# Allegro board buddy_lay_rev1.brd (continued)
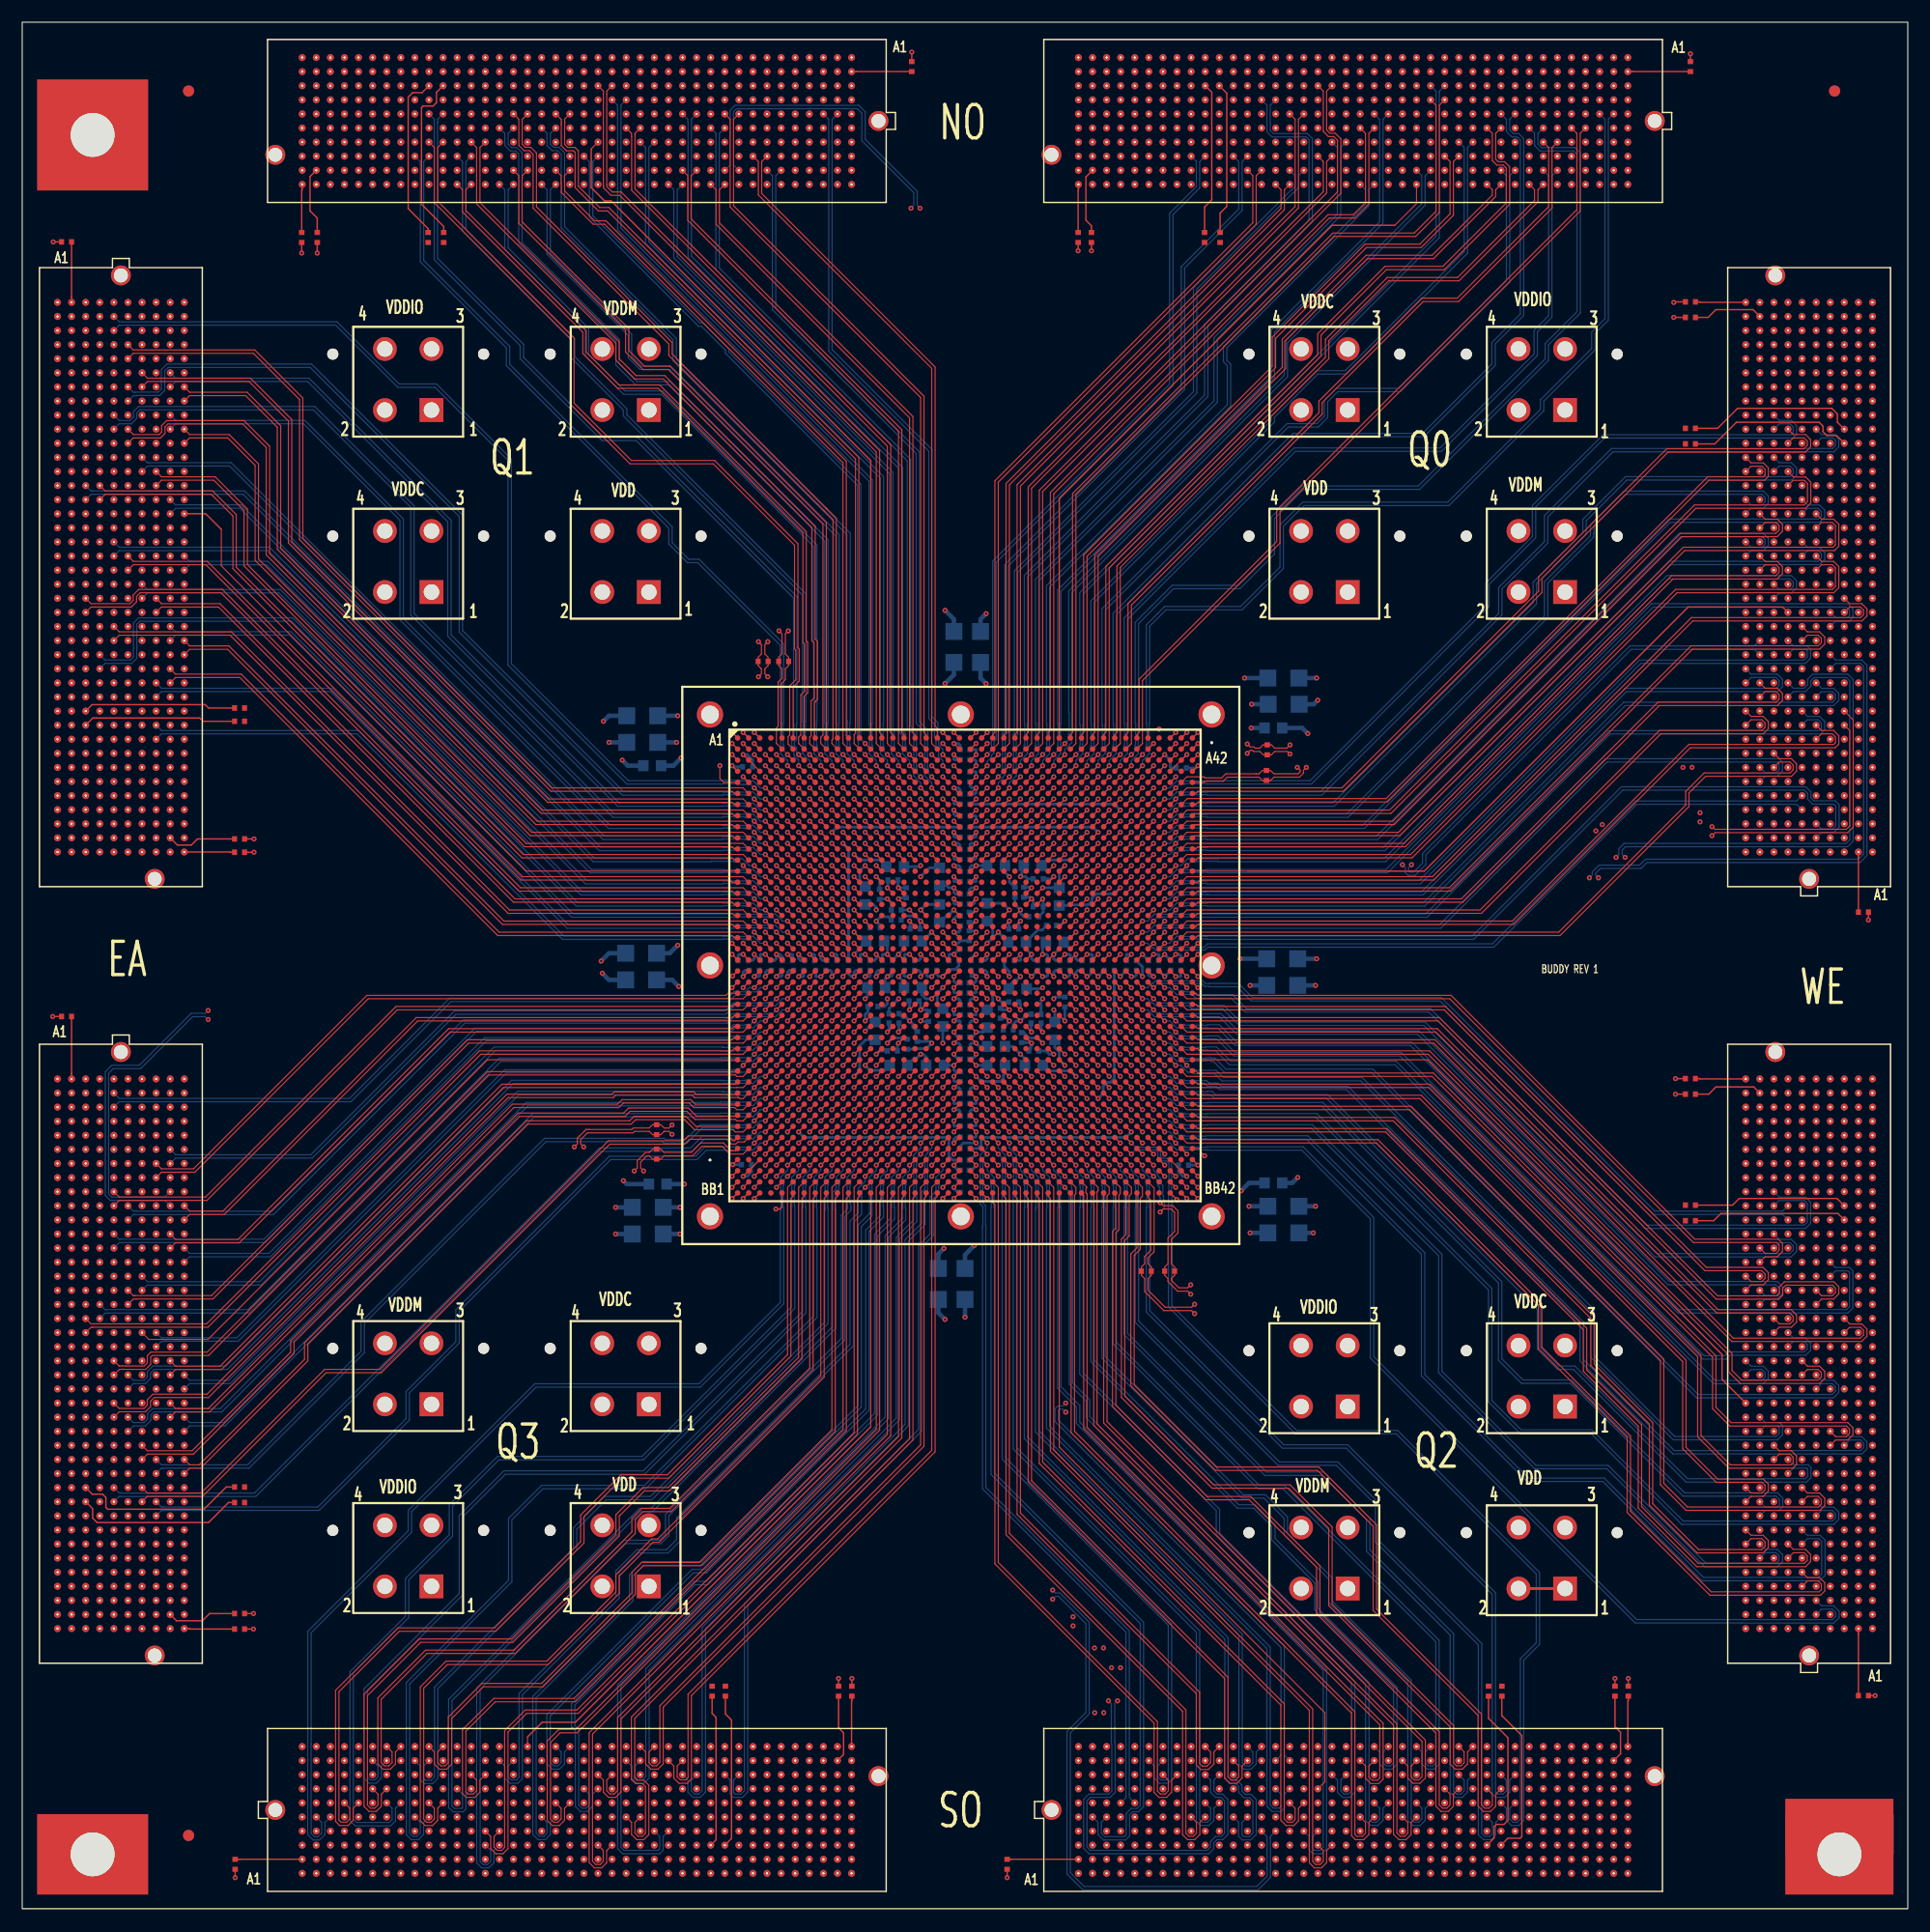
[diagram p0: board, top side]
## Footprints (pads in the part's own frame, mm; a bottom-side part is the same pattern mirrored in y, then rotated) (continued)
IRONWOOD_BGASOCKET
  round 0.25 hole 0.85 unplated: (-22.613,-17.532) (22.613,20.073)
  round 2.372 hole 1.61: 1(-22.613,-22.613) 2(-22.613,0) 3(-22.613,22.613) 4(0,22.613) 5(22.613,22.613) 6(22.613,0) 7(22.613,-22.613) 8(0,-22.613)
MOLEX_0039299042
  round 1 hole 3 unplated: (-6.8,2.49) (6.8,2.49)
  rect 2.15x2.15 hole 1.4: 1(2.1,-2.55)
  round 2.15 hole 1.4: 2(-2.1,-2.55) 3(2.1,2.95) 4(-2.1,2.95)
unnamed
  rect 10x7.25 hole 3.96: (0,0)
VITA57_MEZZ
  round 1.8 hole 1.27 unplated: (-27.191,-3.048) (27.191,0)
  round 0.635 hole 0.203: A1(24.765,5.715) A2(23.495,5.715) A3(22.225,5.715) A4(20.955,5.715) A5(19.685,5.715) A6(18.415,5.715) A7(17.145,5.715) A8(15.875,5.715) A9(14.605,5.715) A10(13.335,5.715) A11(12.065,5.715) A12(10.795,5.715) A13(9.525,5.715) A14(8.255,5.715) A15(6.985,5.715) A16(5.715,5.715) A17(4.445,5.715) A18(3.175,5.715) A19(1.905,5.715) A20(0.635,5.715) A21(-0.635,5.715) A22(-1.905,5.715) A23(-3.175,5.715) A24(-4.445,5.715) A25(-5.715,5.715) A26(-6.985,5.715) A27(-8.255,5.715) A28(-9.525,5.715) A29(-10.795,5.715) A30(-12.065,5.715) A31(-13.335,5.715) A32(-14.605,5.715) A33(-15.875,5.715) A34(-17.145,5.715) A35(-18.415,5.715) A36(-19.685,5.715) A37(-20.955,5.715) A38(-22.225,5.715) A39(-23.495,5.715) A40(-24.765,5.715) B1(24.765,4.445) B2(23.495,4.445) B3(22.225,4.445) B4(20.955,4.445) B5(19.685,4.445) B6(18.415,4.445) B7(17.145,4.445) B8(15.875,4.445) B9(14.605,4.445) B10(13.335,4.445) B11(12.065,4.445) B12(10.795,4.445) B13(9.525,4.445) B14(8.255,4.445) B15(6.985,4.445) B16(5.715,4.445) B17(4.445,4.445) B18(3.175,4.445) B19(1.905,4.445) B20(0.635,4.445) B21(-0.635,4.445) B22(-1.905,4.445) B23(-3.175,4.445) B24(-4.445,4.445) B25(-5.715,4.445) B26(-6.985,4.445) B27(-8.255,4.445) B28(-9.525,4.445) B29(-10.795,4.445) B30(-12.065,4.445) B31(-13.335,4.445) B32(-14.605,4.445) B33(-15.875,4.445) B34(-17.145,4.445) B35(-18.415,4.445) B36(-19.685,4.445) B37(-20.955,4.445) B38(-22.225,4.445) B39(-23.495,4.445) B40(-24.765,4.445) C1(24.765,3.175) C2(23.495,3.175) C3(22.225,3.175) C4(20.955,3.175) C5(19.685,3.175) C6(18.415,3.175) C7(17.145,3.175) C8(15.875,3.175) C9(14.605,3.175) C10(13.335,3.175) C11(12.065,3.175) C12(10.795,3.175) C13(9.525,3.175) C14(8.255,3.175) C15(6.985,3.175) C16(5.715,3.175) C17(4.445,3.175) C18(3.175,3.175) C19(1.905,3.175) C20(0.635,3.175) C21(-0.635,3.175) C22(-1.905,3.175) C23(-3.175,3.175) C24(-4.445,3.175) C25(-5.715,3.175) C26(-6.985,3.175) C27(-8.255,3.175) C28(-9.525,3.175) C29(-10.795,3.175) C30(-12.065,3.175) C31(-13.335,3.175) C32(-14.605,3.175) C33(-15.875,3.175) C34(-17.145,3.175) C35(-18.415,3.175) C36(-19.685,3.175) C37(-20.955,3.175) C38(-22.225,3.175) C39(-23.495,3.175) C40(-24.765,3.175) D1(24.765,1.905) D2(23.495,1.905) D3(22.225,1.905) D4(20.955,1.905) D5(19.685,1.905) D6(18.415,1.905) D7(17.145,1.905) D8(15.875,1.905) D9(14.605,1.905) D10(13.335,1.905) D11(12.065,1.905) D12(10.795,1.905) D13(9.525,1.905) D14(8.255,1.905) D15(6.985,1.905) D16(5.715,1.905) D17(4.445,1.905) D18(3.175,1.905) D19(1.905,1.905) D20(0.635,1.905) D21(-0.635,1.905) D22(-1.905,1.905) D23(-3.175,1.905) D24(-4.445,1.905) D25(-5.715,1.905) D26(-6.985,1.905) D27(-8.255,1.905) D28(-9.525,1.905) D29(-10.795,1.905) D30(-12.065,1.905) D31(-13.335,1.905) D32(-14.605,1.905) D33(-15.875,1.905) D34(-17.145,1.905) D35(-18.415,1.905) D36(-19.685,1.905) D37(-20.955,1.905) D38(-22.225,1.905) D39(-23.495,1.905) D40(-24.765,1.905) E1(24.765,0.635) E2(23.495,0.635) E3(22.225,0.635) E4(20.955,0.635) E5(19.685,0.635) E6(18.415,0.635) E7(17.145,0.635) E8(15.875,0.635) E9(14.605,0.635) E10(13.335,0.635) E11(12.065,0.635) E12(10.795,0.635) E13(9.525,0.635) E14(8.255,0.635) E15(6.985,0.635) E16(5.715,0.635) E17(4.445,0.635) E18(3.175,0.635) E19(1.905,0.635) E20(0.635,0.635) E21(-0.635,0.635) E22(-1.905,0.635) E23(-3.175,0.635) E24(-4.445,0.635) E25(-5.715,0.635) E26(-6.985,0.635) E27(-8.255,0.635) E28(-9.525,0.635) E29(-10.795,0.635) E30(-12.065,0.635) E31(-13.335,0.635) E32(-14.605,0.635) E33(-15.875,0.635) E34(-17.145,0.635) E35(-18.415,0.635) E36(-19.685,0.635) E37(-20.955,0.635) E38(-22.225,0.635) E39(-23.495,0.635) E40(-24.765,0.635) F1(24.765,-0.635) F2(23.495,-0.635) F3(22.225,-0.635) F4(20.955,-0.635) F5(19.685,-0.635) F6(18.415,-0.635) F7(17.145,-0.635) F8(15.875,-0.635) F9(14.605,-0.635) F10(13.335,-0.635) F11(12.065,-0.635) F12(10.795,-0.635) F13(9.525,-0.635) F14(8.255,-0.635) F15(6.985,-0.635) F16(5.715,-0.635) F17(4.445,-0.635) F18(3.175,-0.635) F19(1.905,-0.635) F20(0.635,-0.635) F21(-0.635,-0.635) F22(-1.905,-0.635) F23(-3.175,-0.635) F24(-4.445,-0.635) F25(-5.715,-0.635) F26(-6.985,-0.635) F27(-8.255,-0.635) F28(-9.525,-0.635) F29(-10.795,-0.635) F30(-12.065,-0.635) F31(-13.335,-0.635) F32(-14.605,-0.635) F33(-15.875,-0.635) F34(-17.145,-0.635) F35(-18.415,-0.635) F36(-19.685,-0.635) F37(-20.955,-0.635) F38(-22.225,-0.635) F39(-23.495,-0.635) F40(-24.765,-0.635) G1(24.765,-1.905) G2(23.495,-1.905) G3(22.225,-1.905) G4(20.955,-1.905) G5(19.685,-1.905) G6(18.415,-1.905) G7(17.145,-1.905) G8(15.875,-1.905) G9(14.605,-1.905) G10(13.335,-1.905) G11(12.065,-1.905) G12(10.795,-1.905) G13(9.525,-1.905) G14(8.255,-1.905) G15(6.985,-1.905) G16(5.715,-1.905) G17(4.445,-1.905) G18(3.175,-1.905) G19(1.905,-1.905) G20(0.635,-1.905) G21(-0.635,-1.905) G22(-1.905,-1.905) G23(-3.175,-1.905) G24(-4.445,-1.905) G25(-5.715,-1.905) G26(-6.985,-1.905) G27(-8.255,-1.905) G28(-9.525,-1.905) G29(-10.795,-1.905) G30(-12.065,-1.905) G31(-13.335,-1.905) G32(-14.605,-1.905) G33(-15.875,-1.905) G34(-17.145,-1.905) G35(-18.415,-1.905) G36(-19.685,-1.905) G37(-20.955,-1.905) G38(-22.225,-1.905) G39(-23.495,-1.905) G40(-24.765,-1.905) H1(24.765,-3.175) H2(23.495,-3.175) H3(22.225,-3.175) H4(20.955,-3.175) H5(19.685,-3.175) H6(18.415,-3.175) H7(17.145,-3.175) H8(15.875,-3.175) H9(14.605,-3.175) H10(13.335,-3.175) H11(12.065,-3.175) H12(10.795,-3.175) H13(9.525,-3.175) H14(8.255,-3.175) H15(6.985,-3.175) H16(5.715,-3.175) H17(4.445,-3.175) H18(3.175,-3.175) H19(1.905,-3.175) H20(0.635,-3.175) H21(-0.635,-3.175) H22(-1.905,-3.175) H23(-3.175,-3.175) H24(-4.445,-3.175) H25(-5.715,-3.175) H26(-6.985,-3.175) H27(-8.255,-3.175) H28(-9.525,-3.175) H29(-10.795,-3.175) H30(-12.065,-3.175) H31(-13.335,-3.175) H32(-14.605,-3.175) H33(-15.875,-3.175) H34(-17.145,-3.175) H35(-18.415,-3.175) H36(-19.685,-3.175) H37(-20.955,-3.175) H38(-22.225,-3.175) H39(-23.495,-3.175) H40(-24.765,-3.175) J1(24.765,-4.445) J2(23.495,-4.445) J3(22.225,-4.445) J4(20.955,-4.445) J5(19.685,-4.445) J6(18.415,-4.445) J7(17.145,-4.445) J8(15.875,-4.445) J9(14.605,-4.445) J10(13.335,-4.445) J11(12.065,-4.445) J12(10.795,-4.445) J13(9.525,-4.445) J14(8.255,-4.445) J15(6.985,-4.445) J16(5.715,-4.445) J17(4.445,-4.445) J18(3.175,-4.445) J19(1.905,-4.445) J20(0.635,-4.445) J21(-0.635,-4.445) J22(-1.905,-4.445) J23(-3.175,-4.445) J24(-4.445,-4.445) J25(-5.715,-4.445) J26(-6.985,-4.445) J27(-8.255,-4.445) J28(-9.525,-4.445) J29(-10.795,-4.445) J30(-12.065,-4.445) J31(-13.335,-4.445) J32(-14.605,-4.445) J33(-15.875,-4.445) J34(-17.145,-4.445) J35(-18.415,-4.445) J36(-19.685,-4.445) J37(-20.955,-4.445) J38(-22.225,-4.445) J39(-23.495,-4.445) J40(-24.765,-4.445) K1(24.765,-5.715) K2(23.495,-5.715) K3(22.225,-5.715) K4(20.955,-5.715) K5(19.685,-5.715) K6(18.415,-5.715) K7(17.145,-5.715) K8(15.875,-5.715) K9(14.605,-5.715) K10(13.335,-5.715) K11(12.065,-5.715) K12(10.795,-5.715) K13(9.525,-5.715) K14(8.255,-5.715) K15(6.985,-5.715) K16(5.715,-5.715) K17(4.445,-5.715) K18(3.175,-5.715) K19(1.905,-5.715) K20(0.635,-5.715) K21(-0.635,-5.715) K22(-1.905,-5.715) K23(-3.175,-5.715) K24(-4.445,-5.715) K25(-5.715,-5.715) K26(-6.985,-5.715) K27(-8.255,-5.715) K28(-9.525,-5.715) K29(-10.795,-5.715) K30(-12.065,-5.715) K31(-13.335,-5.715) K32(-14.605,-5.715) K33(-15.875,-5.715) K34(-17.145,-5.715) K35(-18.415,-5.715) K36(-19.685,-5.715) K37(-20.955,-5.715) K38(-22.225,-5.715) K39(-23.495,-5.715) K40(-24.765,-5.715)

## Nets
GND: C1.2 C2.2 C3.2 C4.2 C5.2 C6.2 C7.2 C8.2 C9.2 C10.2 C11.2 C12.2 C13.2 C14.2 C15.2 C16.2 C17.2 C18.2 C19.2 C20.2 C21.2 C22.2 C23.2 C24.2 C25.2 C26.2 C27.2 C28.2 C29.2 C30.2 C31.2 C32.2 C33.2 C34.2 C35.2 C36.2 C37.2 C38.2 C39.2 C40.2 C41.2 C42.2 C43.2 C44.2 C45.2 C46.2 C47.2 C48.2 C49.2 C50.2 C51.2 C52.2 C53.2 C54.2 C55.2 C56.2 C57.2 C58.2 C59.2 C60.2 C61.2 C62.2 C63.2 C64.2 C65.2 C66.2 C67.2 C68.2 C69.2 C70.2 C71.2 C72.2 C73.2 C74.2 C75.2 C76.2 C77.2 C78.2 C79.2 C80.2 C81.2 C82.2 C83.2 C84.2 C85.2 C86.2 C87.2 C88.2 C89.2 C90.2 C91.2 C92.2 C93.2 C94.2 C95.2 C96.2 C97.2 C98.2 C99.2 C100.2 C101.2 C102.2 C103.2 C104.2 C105.2 C106.2 C107.2 C108.2 C109.2 C110.2 C111.2 C112.2 C113.2 C114.2 C115.2 C116.2 C117.2 C118.2 C119.2 C120.2 C121.2 C122.2 C123.2 C124.2 C125.2 C126.2 C127.2 C128.2 C129.2 C130.2 C131.2 C132.2 C133.2 C134.2 C135.2 C136.2 C137.2 C138.2 C139.2 C140.2 C141.2 C142.2 C143.2 C144.2 C145.2 C146.2 C147.2 C148.2 J1.A1(GND#A1) J1.A4(GND#A4) J1.A5(GND#A5) J1.A8(GND#A8) J1.A9(GND#A9) J1.A12(GND#A12) J1.A13(GND#A13) J1.A16(GND#A16) J1.A17(GND#A17) J1.A20(GND#A20) J1.A21(GND#A21) J1.A24(GND#A24) J1.A25(GND#A25) J1.A28(GND#A28) J1.A29(GND#A29) J1.A32(GND#A32) J1.A33(GND#A33) J1.A36(GND#A36) J1.A37(GND#A37) J1.A40(GND#A40) J1.B2(GND#B2) J1.B3(GND#B3) J1.B6(GND#B6) J1.B7(GND#B7) J1.B10(GND#B10) J1.B11(GND#B11) J1.B14(GND#B14) J1.B15(GND#B15) J1.B18(GND#B18) J1.B19(GND#B19) J1.B22(GND#B22) J1.B23(GND#B23) J1.B26(GND#B26) J1.B27(GND#B27) J1.B30(GND#B30) J1.B31(GND#B31) J1.B34(GND#B34) J1.B35(GND#B35) J1.B38(GND#B38) J1.B39(GND#B39) J1.C1(GND#C1) J1.C4(GND#C4) J1.C5(GND#C5) J1.C8(GND#C8) J1.C9(GND#C9) J1.C12(GND#C12) J1.C13(GND#C13) J1.C16(GND#C16) J1.C17(GND#C17) J1.C20(GND#C20) J1.C21(GND#C21) J1.C24(GND#C24) J1.C25(GND#C25) J1.C28(GND#C28) J1.C29(GND#C29) J1.C32(GND#C32) J1.C33(GND#C33) J1.C36(GND#C36) J1.C38(GND#C38) J1.C40(GND#C40) J1.D2(GND#D2) J1.D3(GND#D3) J1.D6(GND#D6) J1.D7(GND#D7) J1.D10(GND#D10) J1.D13(GND#D13) J1.D16(GND#D16) J1.D19(GND#D19) J1.D22(GND#D22) J1.D25(GND#D25) J1.D28(GND#D28) J1.D37(GND#D37) J1.D39(GND#D39) J1.E1(GND#E1) J1.E4(GND#E4) J1.E5(GND#E5) J1.E8(GND#E8) J1.E11(GND#E11) J1.E14(GND#E14) J1.E17(GND#E17) J1.E20(GND#E20) J1.E23(GND#E23) J1.E26(GND#E26) J1.E29(GND#E29) J1.E32(GND#E32) J1.E35(GND#E35) J1.E38(GND#E38) J1.E40(GND#E40) J1.F2(GND#F2) J1.F3(GND#F3) J1.F6(GND#F6) J1.F9(GND#F9) J1.F12(GND#F12) J1.F15(GND#F15) J1.F18(GND#F18) J1.F21(GND#F21) J1.F24(GND#F24) J1.F27(GND#F27) J1.F30(GND#F30) J1.F33(GND#F33) J1.F36(GND#F36) J1.F39(GND#F39) J1.G1(GND#G1) J1.G4(GND#G4) J1.G5(GND#G5) J1.G8(GND#G8) J1.G11(GND#G11) J1.G14(GND#G14) J1.G17(GND#G17) J1.G20(GND#G20) J1.G23(GND#G23) J1.G26(GND#G26) J1.G29(GND#G29) J1.G32(GND#G32) J1.G35(GND#G35) J1.G38(GND#G38) J1.G40(GND#G40) J1.H2(PRSNT_M2C_L) J1.H3(GND#H3) J1.H6(GND#H6) J1.H9(GND#H9) J1.H12(GND#H12) J1.H15(GND#H15) J1.H18(GND#H18) J1.H21(GND#H21) J1.H24(GND#H24) J1.H27(GND#H27) J1.H30(GND#H30) J1.H33(GND#H33) J1.H36(GND#H36) J1.H39(GND#H39) J1.J1(GND#J1) J1.J4(GND#J4) J1.J5(GND#J5) J1.J8(GND#J8) J1.J11(GND#J11) J1.J14(GND#J14) J1.J17(GND#J17) J1.J20(GND#J20) J1.J23(GND#J23) J1.J26(GND#J26) J1.J29(GND#J29) J1.J32(GND#J32) J1.J35(GND#J35) J1.J38(GND#J38) J1.J40(GND#J40) J1.K2(GND#K2) J1.K3(GND#K3) J1.K6(GND#K6) J1.K9(GND#K9) J1.K12(GND#K12) J1.K15(GND#K15) J1.K18(GND#K18) J1.K21(GND#K21) J1.K24(GND#K24) J1.K27(GND#K27) J1.K30(GND#K30) J1.K33(GND#K33) J1.K36(GND#K36) J1.K39(GND#K39) J2.A1(GND#A1) J2.A4(GND#A4) J2.A5(GND#A5) J2.A8(GND#A8) J2.A9(GND#A9) J2.A12(GND#A12) J2.A13(GND#A13) J2.A16(GND#A16) J2.A17(GND#A17) J2.A20(GND#A20) J2.A21(GND#A21) J2.A24(GND#A24) J2.A25(GND#A25) J2.A28(GND#A28) J2.A29(GND#A29) J2.A32(GND#A32) J2.A33(GND#A33) J2.A36(GND#A36) J2.A37(GND#A37) J2.A40(GND#A40) J2.B2(GND#B2) J2.B3(GND#B3) J2.B6(GND#B6) J2.B7(GND#B7) J2.B10(GND#B10) J2.B11(GND#B11) J2.B14(GND#B14) J2.B15(GND#B15) J2.B18(GND#B18) J2.B19(GND#B19) J2.B22(GND#B22) J2.B23(GND#B23) J2.B26(GND#B26) J2.B27(GND#B27) J2.B30(GND#B30) J2.B31(GND#B31) J2.B34(GND#B34) J2.B35(GND#B35) J2.B38(GND#B38) J2.B39(GND#B39) J2.C1(GND#C1) J2.C4(GND#C4) J2.C5(GND#C5) J2.C8(GND#C8) J2.C9(GND#C9) J2.C12(GND#C12) J2.C13(GND#C13) J2.C16(GND#C16) J2.C17(GND#C17) J2.C20(GND#C20) J2.C21(GND#C21) J2.C24(GND#C24) J2.C25(GND#C25) J2.C28(GND#C28) J2.C29(GND#C29) J2.C32(GND#C32) J2.C33(GND#C33) J2.C36(GND#C36) J2.C38(GND#C38) J2.C40(GND#C40) J2.D2(GND#D2) J2.D3(GND#D3) J2.D6(GND#D6) J2.D7(GND#D7) J2.D10(GND#D10) J2.D13(GND#D13) J2.D16(GND#D16) J2.D19(GND#D19) J2.D22(GND#D22) J2.D25(GND#D25) J2.D28(GND#D28) J2.D37(GND#D37) J2.D39(GND#D39) J2.E1(GND#E1) J2.E4(GND#E4) J2.E5(GND#E5) J2.E8(GND#E8) J2.E11(GND#E11) J2.E14(GND#E14) J2.E17(GND#E17) J2.E20(GND#E20) J2.E23(GND#E23) J2.E26(GND#E26) J2.E29(GND#E29) J2.E32(GND#E32) J2.E35(GND#E35) J2.E38(GND#E38) J2.E40(GND#E40) J2.F2(GND#F2) J2.F3(GND#F3) J2.F6(GND#F6) J2.F9(GND#F9) J2.F12(GND#F12) J2.F15(GND#F15) J2.F18(GND#F18) J2.F21(GND#F21) J2.F24(GND#F24) J2.F27(GND#F27) J2.F30(GND#F30) J2.F33(GND#F33) J2.F36(GND#F36) J2.F39(GND#F39) J2.G1(GND#G1) J2.G4(GND#G4) J2.G5(GND#G5) J2.G8(GND#G8) J2.G11(GND#G11) J2.G14(GND#G14) J2.G17(GND#G17) J2.G20(GND#G20) J2.G23(GND#G23) J2.G26(GND#G26) J2.G29(GND#G29) J2.G32(GND#G32) J2.G35(GND#G35) J2.G38(GND#G38) J2.G40(GND#G40) J2.H2(PRSNT_M2C_L) J2.H3(GND#H3) J2.H6(GND#H6) J2.H9(GND#H9) J2.H12(GND#H12) J2.H15(GND#H15) J2.H18(GND#H18) J2.H21(GND#H21) J2.H24(GND#H24) J2.H27(GND#H27) J2.H30(GND#H30) J2.H33(GND#H33) J2.H36(GND#H36) J2.H39(GND#H39) J2.J1(GND#J1) J2.J4(GND#J4) J2.J5(GND#J5) J2.J8(GND#J8) J2.J11(GND#J11) J2.J14(GND#J14) J2.J17(GND#J17) J2.J20(GND#J20) J2.J23(GND#J23) J2.J26(GND#J26) J2.J29(GND#J29) J2.J32(GND#J32) J2.J35(GND#J35) J2.J38(GND#J38) J2.J40(GND#J40) J2.K2(GND#K2) J2.K3(GND#K3) J2.K6(GND#K6) J2.K9(GND#K9) J2.K12(GND#K12) J2.K15(GND#K15) J2.K18(GND#K18) J2.K21(GND#K21) J2.K24(GND#K24) J2.K27(GND#K27) J2.K30(GND#K30) J2.K33(GND#K33) J2.K36(GND#K36) J2.K39(GND#K39) J3.A1(GND#A1) J3.A4(GND#A4) J3.A5(GND#A5) J3.A8(GND#A8) J3.A9(GND#A9) J3.A12(GND#A12) J3.A13(GND#A13) J3.A16(GND#A16) J3.A17(GND#A17) J3.A20(GND#A20) J3.A21(GND#A21) J3.A24(GND#A24) J3.A25(GND#A25) J3.A28(GND#A28) J3.A29(GND#A29) J3.A32(GND#A32) J3.A33(GND#A33) J3.A36(GND#A36) J3.A37(GND#A37) J3.A40(GND#A40) J3.B2(GND#B2) J3.B3(GND#B3) J3.B6(GND#B6) J3.B7(GND#B7) J3.B10(GND#B10) J3.B11(GND#B11) J3.B14(GND#B14) J3.B15(GND#B15) J3.B18(GND#B18) J3.B19(GND#B19) J3.B22(GND#B22) J3.B23(GND#B23) J3.B26(GND#B26) J3.B27(GND#B27) J3.B30(GND#B30) J3.B31(GND#B31) J3.B34(GND#B34) J3.B35(GND#B35) J3.B38(GND#B38) J3.B39(GND#B39) J3.C1(GND#C1) J3.C4(GND#C4) J3.C5(GND#C5) J3.C8(GND#C8) J3.C9(GND#C9) J3.C12(GND#C12) J3.C13(GND#C13) J3.C16(GND#C16) J3.C17(GND#C17) J3.C20(GND#C20) J3.C21(GND#C21) J3.C24(GND#C24) J3.C25(GND#C25) J3.C28(GND#C28) J3.C29(GND#C29) J3.C32(GND#C32) J3.C33(GND#C33) J3.C36(GND#C36) J3.C38(GND#C38) J3.C40(GND#C40) J3.D2(GND#D2) J3.D3(GND#D3) J3.D6(GND#D6) J3.D7(GND#D7) J3.D10(GND#D10) J3.D13(GND#D13) J3.D16(GND#D16) J3.D19(GND#D19) J3.D22(GND#D22) J3.D25(GND#D25) J3.D28(GND#D28) J3.D37(GND#D37) J3.D39(GND#D39) J3.E1(GND#E1) J3.E4(GND#E4) J3.E5(GND#E5) J3.E8(GND#E8) J3.E11(GND#E11) J3.E14(GND#E14) J3.E17(GND#E17) J3.E20(GND#E20) J3.E23(GND#E23) J3.E26(GND#E26) J3.E29(GND#E29) J3.E32(GND#E32) J3.E35(GND#E35) J3.E38(GND#E38) J3.E40(GND#E40) J3.F2(GND#F2) J3.F3(GND#F3) J3.F6(GND#F6) J3.F9(GND#F9) J3.F12(GND#F12) J3.F15(GND#F15) J3.F18(GND#F18) J3.F21(GND#F21) J3.F24(GND#F24) J3.F27(GND#F27) J3.F30(GND#F30) J3.F33(GND#F33) J3.F36(GND#F36) J3.F39(GND#F39) J3.G1(GND#G1) J3.G4(GND#G4) J3.G5(GND#G5) J3.G8(GND#G8) J3.G11(GND#G11) J3.G14(GND#G14) J3.G17(GND#G17) J3.G20(GND#G20) J3.G23(GND#G23) J3.G26(GND#G26) J3.G29(GND#G29) J3.G32(GND#G32) J3.G35(GND#G35) J3.G38(GND#G38) J3.G40(GND#G40) J3.H2(PRSNT_M2C_L) J3.H3(GND#H3) J3.H6(GND#H6) J3.H9(GND#H9) J3.H12(GND#H12) J3.H15(GND#H15) J3.H18(GND#H18) J3.H21(GND#H21) J3.H24(GND#H24) J3.H27(GND#H27) J3.H30(GND#H30) J3.H33(GND#H33) J3.H36(GND#H36) J3.H39(GND#H39) J3.J1(GND#J1) J3.J4(GND#J4) J3.J5(GND#J5) J3.J8(GND#J8) J3.J11(GND#J11) J3.J14(GND#J14) J3.J17(GND#J17) J3.J20(GND#J20) J3.J23(GND#J23) J3.J26(GND#J26) J3.J29(GND#J29) J3.J32(GND#J32) J3.J35(GND#J35) J3.J38(GND#J38) J3.J40(GND#J40) J3.K2(GND#K2) J3.K3(GND#K3) J3.K6(GND#K6) J3.K9(GND#K9) J3.K12(GND#K12) J3.K15(GND#K15) J3.K18(GND#K18) J3.K21(GND#K21) J3.K24(GND#K24) J3.K27(GND#K27) J3.K30(GND#K30) J3.K33(GND#K33) J3.K36(GND#K36) J3.K39(GND#K39) J4.A1(GND#A1) J4.A4(GND#A4) J4.A5(GND#A5) J4.A8(GND#A8) J4.A9(GND#A9) J4.A12(GND#A12) J4.A13(GND#A13) J4.A16(GND#A16) J4.A17(GND#A17) J4.A20(GND#A20) J4.A21(GND#A21) J4.A24(GND#A24) J4.A25(GND#A25) J4.A28(GND#A28) J4.A29(GND#A29) J4.A32(GND#A32) J4.A33(GND#A33) J4.A36(GND#A36) J4.A37(GND#A37) J4.A40(GND#A40) J4.B2(GND#B2) J4.B3(GND#B3) J4.B6(GND#B6) J4.B7(GND#B7) J4.B10(GND#B10) J4.B11(GND#B11) J4.B14(GND#B14) J4.B15(GND#B15) J4.B18(GND#B18) J4.B19(GND#B19) J4.B22(GND#B22) J4.B23(GND#B23) J4.B26(GND#B26) J4.B27(GND#B27) J4.B30(GND#B30) J4.B31(GND#B31) J4.B34(GND#B34) J4.B35(GND#B35) J4.B38(GND#B38) J4.B39(GND#B39) J4.C1(GND#C1) J4.C4(GND#C4) J4.C5(GND#C5) J4.C8(GND#C8) J4.C9(GND#C9) J4.C12(GND#C12) J4.C13(GND#C13) J4.C16(GND#C16) J4.C17(GND#C17) J4.C20(GND#C20) J4.C21(GND#C21) J4.C24(GND#C24) J4.C25(GND#C25) J4.C28(GND#C28) J4.C29(GND#C29) J4.C32(GND#C32) J4.C33(GND#C33) J4.C36(GND#C36) J4.C38(GND#C38) J4.C40(GND#C40) J4.D2(GND#D2) J4.D3(GND#D3) J4.D6(GND#D6) J4.D7(GND#D7) J4.D10(GND#D10) J4.D13(GND#D13) J4.D16(GND#D16) J4.D19(GND#D19) J4.D22(GND#D22) J4.D25(GND#D25) J4.D28(GND#D28) J4.D37(GND#D37) J4.D39(GND#D39) J4.E1(GND#E1) J4.E4(GND#E4) J4.E5(GND#E5) J4.E8(GND#E8) J4.E11(GND#E11) J4.E14(GND#E14) J4.E17(GND#E17) J4.E20(GND#E20) J4.E23(GND#E23) J4.E26(GND#E26) J4.E29(GND#E29) J4.E32(GND#E32) J4.E35(GND#E35) J4.E38(GND#E38) J4.E40(GND#E40) J4.F2(GND#F2) J4.F3(GND#F3) J4.F6(GND#F6) J4.F9(GND#F9) J4.F12(GND#F12) J4.F15(GND#F15) J4.F18(GND#F18) J4.F21(GND#F21) J4.F24(GND#F24) J4.F27(GND#F27) J4.F30(GND#F30) J4.F33(GND#F33) J4.F36(GND#F36) J4.F39(GND#F39) J4.G1(GND#G1) J4.G4(GND#G4) J4.G5(GND#G5) J4.G8(GND#G8) J4.G11(GND#G11) J4.G14(GND#G14) J4.G17(GND#G17) J4.G20(GND#G20) J4.G23(GND#G23) J4.G26(GND#G26) J4.G29(GND#G29) J4.G32(GND#G32) J4.G35(GND#G35) J4.G38(GND#G38) J4.G40(GND#G40) J4.H2(PRSNT_M2C_L) J4.H3(GND#H3) J4.H6(GND#H6) J4.H9(GND#H9) J4.H12(GND#H12) J4.H15(GND#H15) J4.H18(GND#H18) J4.H21(GND#H21) J4.H24(GND#H24) J4.H27(GND#H27) J4.H30(GND#H30) J4.H33(GND#H33) J4.H36(GND#H36) J4.H39(GND#H39) J4.J1(GND#J1) J4.J4(GND#J4) J4.J5(GND#J5) J4.J8(GND#J8) J4.J11(GND#J11) J4.J14(GND#J14) J4.J17(GND#J17) J4.J20(GND#J20) J4.J23(GND#J23) J4.J26(GND#J26) J4.J29(GND#J29) J4.J32(GND#J32) J4.J35(GND#J35) J4.J38(GND#J38) J4.J40(GND#J40) J4.K2(GND#K2) J4.K3(GND#K3) J4.K6(GND#K6) J4.K9(GND#K9) J4.K12(GND#K12) J4.K15(GND#K15) J4.K18(GND#K18) J4.K21(GND#K21) J4.K24(GND#K24) J4.K27(GND#K27) J4.K30(GND#K30) J4.K33(GND#K33) J4.K36(GND#K36) J4.K39(GND#K39) J5.A1(GND#A1) J5.A4(GND#A4) J5.A5(GND#A5) J5.A8(GND#A8) J5.A9(GND#A9) J5.A12(GND#A12) J5.A13(GND#A13) J5.A16(GND#A16) J5.A17(GND#A17) J5.A20(GND#A20) J5.A21(GND#A21) J5.A24(GND#A24) J5.A25(GND#A25) J5.A28(GND#A28) J5.A29(GND#A29) J5.A32(GND#A32) J5.A33(GND#A33) J5.A36(GND#A36) J5.A37(GND#A37) J5.A40(GND#A40) J5.B2(GND#B2) J5.B3(GND#B3) J5.B6(GND#B6) J5.B7(GND#B7) J5.B10(GND#B10) J5.B11(GND#B11) J5.B14(GND#B14) J5.B15(GND#B15) J5.B18(GND#B18) J5.B19(GND#B19) J5.B22(GND#B22) J5.B23(GND#B23) J5.B26(GND#B26) J5.B27(GND#B27) J5.B30(GND#B30) J5.B31(GND#B31) J5.B34(GND#B34) J5.B35(GND#B35) J5.B38(GND#B38) J5.B39(GND#B39) J5.C1(GND#C1) J5.C4(GND#C4) J5.C5(GND#C5) J5.C8(GND#C8) J5.C9(GND#C9) J5.C12(GND#C12) J5.C13(GND#C13) J5.C16(GND#C16) J5.C17(GND#C17) J5.C20(GND#C20) J5.C21(GND#C21) J5.C24(GND#C24) J5.C25(GND#C25) J5.C28(GND#C28) J5.C29(GND#C29) J5.C32(GND#C32) J5.C33(GND#C33) J5.C36(GND#C36) J5.C38(GND#C38) J5.C40(GND#C40) J5.D2(GND#D2) J5.D3(GND#D3) J5.D6(GND#D6) J5.D7(GND#D7) J5.D10(GND#D10) J5.D13(GND#D13) J5.D16(GND#D16) J5.D19(GND#D19) J5.D22(GND#D22) J5.D25(GND#D25) J5.D28(GND#D28) J5.D37(GND#D37) J5.D39(GND#D39) J5.E1(GND#E1) J5.E4(GND#E4) J5.E5(GND#E5) J5.E8(GND#E8) J5.E11(GND#E11) J5.E14(GND#E14) J5.E17(GND#E17) J5.E20(GND#E20) J5.E23(GND#E23) J5.E26(GND#E26) J5.E29(GND#E29) J5.E32(GND#E32) J5.E35(GND#E35) J5.E38(GND#E38) J5.E40(GND#E40) J5.F2(GND#F2) J5.F3(GND#F3) J5.F6(GND#F6) J5.F9(GND#F9) J5.F12(GND#F12) J5.F15(GND#F15) J5.F18(GND#F18) J5.F21(GND#F21) J5.F24(GND#F24) J5.F27(GND#F27) J5.F30(GND#F30) J5.F33(GND#F33) J5.F36(GND#F36) J5.F39(GND#F39) J5.G1(GND#G1) J5.G4(GND#G4) J5.G5(GND#G5) J5.G8(GND#G8) J5.G11(GND#G11) J5.G14(GND#G14) J5.G17(GND#G17) J5.G20(GND#G20) J5.G23(GND#G23) J5.G26(GND#G26) J5.G29(GND#G29) J5.G32(GND#G32) J5.G35(GND#G35) J5.G38(GND#G38) J5.G40(GND#G40) J5.H2(PRSNT_M2C_L) J5.H3(GND#H3) J5.H6(GND#H6) J5.H9(GND#H9) J5.H12(GND#H12) J5.H15(GND#H15) J5.H18(GND#H18) J5.H21(GND#H21) J5.H24(GND#H24) J5.H27(GND#H27) J5.H30(GND#H30) J5.H33(GND#H33) J5.H36(GND#H36) J5.H39(GND#H39) J5.J1(GND#J1) J5.J4(GND#J4) J5.J5(GND#J5) J5.J8(GND#J8) J5.J11(GND#J11) J5.J14(GND#J14) J5.J17(GND#J17) J5.J20(GND#J20) J5.J23(GND#J23) J5.J26(GND#J26) J5.J29(GND#J29) J5.J32(GND#J32) J5.J35(GND#J35) J5.J38(GND#J38) J5.J40(GND#J40) J5.K2(GND#K2) J5.K3(GND#K3) J5.K6(GND#K6) J5.K9(GND#K9) J5.K12(GND#K12) J5.K15(GND#K15) J5.K18(GND#K18) J5.K21(GND#K21) J5.K24(GND#K24) J5.K27(GND#K27) J5.K30(GND#K30) J5.K33(GND#K33) J5.K36(GND#K36) J5.K39(GND#K39) J6.A1(GND#A1) J6.A4(GND#A4) J6.A5(GND#A5) J6.A8(GND#A8) J6.A9(GND#A9) J6.A12(GND#A12) J6.A13(GND#A13) J6.A16(GND#A16) J6.A17(GND#A17) J6.A20(GND#A20) J6.A21(GND#A21) J6.A24(GND#A24) J6.A25(GND#A25) J6.A28(GND#A28) J6.A29(GND#A29) J6.A32(GND#A32) J6.A33(GND#A33) J6.A36(GND#A36) J6.A37(GND#A37) J6.A40(GND#A40) J6.B2(GND#B2) J6.B3(GND#B3) J6.B6(GND#B6) J6.B7(GND#B7) J6.B10(GND#B10) J6.B11(GND#B11) J6.B14(GND#B14) J6.B15(GND#B15) J6.B18(GND#B18) J6.B19(GND#B19) J6.B22(GND#B22) J6.B23(GND#B23) J6.B26(GND#B26) J6.B27(GND#B27) J6.B30(GND#B30) J6.B31(GND#B31) J6.B34(GND#B34) J6.B35(GND#B35) J6.B38(GND#B38) J6.B39(GND#B39) J6.C1(GND#C1) J6.C4(GND#C4) J6.C5(GND#C5) J6.C8(GND#C8) J6.C9(GND#C9) J6.C12(GND#C12) J6.C13(GND#C13) J6.C16(GND#C16) J6.C17(GND#C17) J6.C20(GND#C20) J6.C21(GND#C21) J6.C24(GND#C24) J6.C25(GND#C25) J6.C28(GND#C28) J6.C29(GND#C29) J6.C32(GND#C32) J6.C33(GND#C33) J6.C36(GND#C36) J6.C38(GND#C38) J6.C40(GND#C40) J6.D2(GND#D2) J6.D3(GND#D3) J6.D6(GND#D6) J6.D7(GND#D7) J6.D10(GND#D10) J6.D13(GND#D13) J6.D16(GND#D16) J6.D19(GND#D19) J6.D22(GND#D22) J6.D25(GND#D25) J6.D28(GND#D28) J6.D37(GND#D37) J6.D39(GND#D39) J6.E1(GND#E1) J6.E4(GND#E4) J6.E5(GND#E5) J6.E8(GND#E8) J6.E11(GND#E11) J6.E14(GND#E14) J6.E17(GND#E17) J6.E20(GND#E20) J6.E23(GND#E23) J6.E26(GND#E26) J6.E29(GND#E29) J6.E32(GND#E32) J6.E35(GND#E35) J6.E38(GND#E38) J6.E40(GND#E40) J6.F2(GND#F2) J6.F3(GND#F3) J6.F6(GND#F6) J6.F9(GND#F9) J6.F12(GND#F12) J6.F15(GND#F15) J6.F18(GND#F18) J6.F21(GND#F21) J6.F24(GND#F24) J6.F27(GND#F27) J6.F30(GND#F30) J6.F33(GND#F33) J6.F36(GND#F36) J6.F39(GND#F39) J6.G1(GND#G1) J6.G4(GND#G4) J6.G5(GND#G5) J6.G8(GND#G8) J6.G11(GND#G11) J6.G14(GND#G14) J6.G17(GND#G17) J6.G20(GND#G20) J6.G23(GND#G23) J6.G26(GND#G26) J6.G29(GND#G29) J6.G32(GND#G32) J6.G35(GND#G35) J6.G38(GND#G38) J6.G40(GND#G40) J6.H2(PRSNT_M2C_L) J6.H3(GND#H3) J6.H6(GND#H6) J6.H9(GND#H9) J6.H12(GND#H12) J6.H15(GND#H15) J6.H18(GND#H18) J6.H21(GND#H21) J6.H24(GND#H24) J6.H27(GND#H27) J6.H30(GND#H30) J6.H33(GND#H33) J6.H36(GND#H36) J6.H39(GND#H39) J6.J1(GND#J1) J6.J4(GND#J4) J6.J5(GND#J5) J6.J8(GND#J8) J6.J11(GND#J11) J6.J14(GND#J14) J6.J17(GND#J17) J6.J20(GND#J20) J6.J23(GND#J23) J6.J26(GND#J26) J6.J29(GND#J29) J6.J32(GND#J32) J6.J35(GND#J35) J6.J38(GND#J38) J6.J40(GND#J40) J6.K2(GND#K2) J6.K3(GND#K3) J6.K6(GND#K6) J6.K9(GND#K9) J6.K12(GND#K12) J6.K15(GND#K15) J6.K18(GND#K18) J6.K21(GND#K21) J6.K24(GND#K24) J6.K27(GND#K27) J6.K30(GND#K30) J6.K33(GND#K33) J6.K36(GND#K36) J6.K39(GND#K39) J7.A1(GND#A1) J7.A4(GND#A4) J7.A5(GND#A5) J7.A8(GND#A8) J7.A9(GND#A9) J7.A12(GND#A12) J7.A13(GND#A13) J7.A16(GND#A16) J7.A17(GND#A17) J7.A20(GND#A20) J7.A21(GND#A21) J7.A24(GND#A24) J7.A25(GND#A25) J7.A28(GND#A28) J7.A29(GND#A29) J7.A32(GND#A32) J7.A33(GND#A33) J7.A36(GND#A36) J7.A37(GND#A37) J7.A40(GND#A40) J7.B2(GND#B2) J7.B3(GND#B3) J7.B6(GND#B6) J7.B7(GND#B7) J7.B10(GND#B10) J7.B11(GND#B11) J7.B14(GND#B14) J7.B15(GND#B15) J7.B18(GND#B18) J7.B19(GND#B19) J7.B22(GND#B22) J7.B23(GND#B23) J7.B26(GND#B26) J7.B27(GND#B27) J7.B30(GND#B30) J7.B31(GND#B31) J7.B34(GND#B34) J7.B35(GND#B35) J7.B38(GND#B38) J7.B39(GND#B39) J7.C1(GND#C1) J7.C4(GND#C4) J7.C5(GND#C5) J7.C8(GND#C8) J7.C9(GND#C9) J7.C12(GND#C12) J7.C13(GND#C13) J7.C16(GND#C16) J7.C17(GND#C17) J7.C20(GND#C20) J7.C21(GND#C21) J7.C24(GND#C24) J7.C25(GND#C25) J7.C28(GND#C28) J7.C29(GND#C29) J7.C32(GND#C32) J7.C33(GND#C33) J7.C36(GND#C36) J7.C38(GND#C38) J7.C40(GND#C40) J7.D2(GND#D2) J7.D3(GND#D3) J7.D6(GND#D6) J7.D7(GND#D7) J7.D10(GND#D10) J7.D13(GND#D13) J7.D16(GND#D16) J7.D19(GND#D19) J7.D22(GND#D22) J7.D25(GND#D25) J7.D28(GND#D28) J7.D37(GND#D37) J7.D39(GND#D39) J7.E1(GND#E1) J7.E4(GND#E4) J7.E5(GND#E5) J7.E8(GND#E8) J7.E11(GND#E11) J7.E14(GND#E14) J7.E17(GND#E17) J7.E20(GND#E20) J7.E23(GND#E23) J7.E26(GND#E26) J7.E29(GND#E29) J7.E32(GND#E32) J7.E35(GND#E35) J7.E38(GND#E38) J7.E40(GND#E40) J7.F2(GND#F2) J7.F3(GND#F3) J7.F6(GND#F6) J7.F9(GND#F9) J7.F12(GND#F12) J7.F15(GND#F15) J7.F18(GND#F18) J7.F21(GND#F21) J7.F24(GND#F24) J7.F27(GND#F27) J7.F30(GND#F30) J7.F33(GND#F33) J7.F36(GND#F36) J7.F39(GND#F39) J7.G1(GND#G1) J7.G4(GND#G4) J7.G5(GND#G5) J7.G8(GND#G8) J7.G11(GND#G11) J7.G14(GND#G14) J7.G17(GND#G17) J7.G20(GND#G20) J7.G23(GND#G23) J7.G26(GND#G26) J7.G29(GND#G29) J7.G32(GND#G32) J7.G35(GND#G35) J7.G38(GND#G38) J7.G40(GND#G40) J7.H2(PRSNT_M2C_L) J7.H3(GND#H3) J7.H6(GND#H6) J7.H9(GND#H9) J7.H12(GND#H12) J7.H15(GND#H15) J7.H18(GND#H18) J7.H21(GND#H21) J7.H24(GND#H24) J7.H27(GND#H27) J7.H30(GND#H30) J7.H33(GND#H33) J7.H36(GND#H36) J7.H39(GND#H39) J7.J1(GND#J1) J7.J4(GND#J4) J7.J5(GND#J5) J7.J8(GND#J8) J7.J11(GND#J11) J7.J14(GND#J14) J7.J17(GND#J17) J7.J20(GND#J20) J7.J23(GND#J23) J7.J26(GND#J26) J7.J29(GND#J29) J7.J32(GND#J32) J7.J35(GND#J35) J7.J38(GND#J38) J7.J40(GND#J40) J7.K2(GND#K2) J7.K3(GND#K3) J7.K6(GND#K6) J7.K9(GND#K9) J7.K12(GND#K12) J7.K15(GND#K15) J7.K18(GND#K18) J7.K21(GND#K21) J7.K24(GND#K24) J7.K27(GND#K27) J7.K30(GND#K30) J7.K33(GND#K33) J7.K36(GND#K36) J7.K39(GND#K39) J8.A1(GND#A1) J8.A4(GND#A4) J8.A5(GND#A5) J8.A8(GND#A8) J8.A9(GND#A9) J8.A12(GND#A12) J8.A13(GND#A13) J8.A16(GND#A16) J8.A17(GND#A17) J8.A20(GND#A20) J8.A21(GND#A21) J8.A24(GND#A24) J8.A25(GND#A25) J8.A28(GND#A28) J8.A29(GND#A29) J8.A32(GND#A32) J8.A33(GND#A33) J8.A36(GND#A36) J8.A37(GND#A37) J8.A40(GND#A40) J8.B2(GND#B2) J8.B3(GND#B3) J8.B6(GND#B6) J8.B7(GND#B7) J8.B10(GND#B10) J8.B11(GND#B11) J8.B14(GND#B14) J8.B15(GND#B15) J8.B18(GND#B18) J8.B19(GND#B19) J8.B22(GND#B22) J8.B23(GND#B23) J8.B26(GND#B26) J8.B27(GND#B27) J8.B30(GND#B30) J8.B31(GND#B31) J8.B34(GND#B34) J8.B35(GND#B35) J8.B38(GND#B38) J8.B39(GND#B39) J8.C1(GND#C1) J8.C4(GND#C4) J8.C5(GND#C5) J8.C8(GND#C8) J8.C9(GND#C9) J8.C12(GND#C12) J8.C13(GND#C13) J8.C16(GND#C16) J8.C17(GND#C17) J8.C20(GND#C20) J8.C21(GND#C21) J8.C24(GND#C24) J8.C25(GND#C25) J8.C28(GND#C28) J8.C29(GND#C29) J8.C32(GND#C32) J8.C33(GND#C33) J8.C36(GND#C36) J8.C38(GND#C38) J8.C40(GND#C40) J8.D2(GND#D2) J8.D3(GND#D3) J8.D6(GND#D6) J8.D7(GND#D7) J8.D10(GND#D10) J8.D13(GND#D13) J8.D16(GND#D16) J8.D19(GND#D19) J8.D22(GND#D22) J8.D25(GND#D25) J8.D28(GND#D28) J8.D37(GND#D37) J8.D39(GND#D39) J8.E1(GND#E1) J8.E4(GND#E4) J8.E5(GND#E5) J8.E8(GND#E8) J8.E11(GND#E11) J8.E14(GND#E14) J8.E17(GND#E17) J8.E20(GND#E20) J8.E23(GND#E23) J8.E26(GND#E26) J8.E29(GND#E29) J8.E32(GND#E32) J8.E35(GND#E35) J8.E38(GND#E38) J8.E40(GND#E40) J8.F2(GND#F2) J8.F3(GND#F3) J8.F6(GND#F6) J8.F9(GND#F9) J8.F12(GND#F12) J8.F15(GND#F15) J8.F18(GND#F18) J8.F21(GND#F21) J8.F24(GND#F24) J8.F27(GND#F27) J8.F30(GND#F30) J8.F33(GND#F33) J8.F36(GND#F36) J8.F39(GND#F39) J8.G1(GND#G1) J8.G4(GND#G4) J8.G5(GND#G5) J8.G8(GND#G8) J8.G11(GND#G11) J8.G14(GND#G14) J8.G17(GND#G17) J8.G20(GND#G20) 